# Altium PCB MiniPC.PcbDoc (part 1 of 22) (continued)
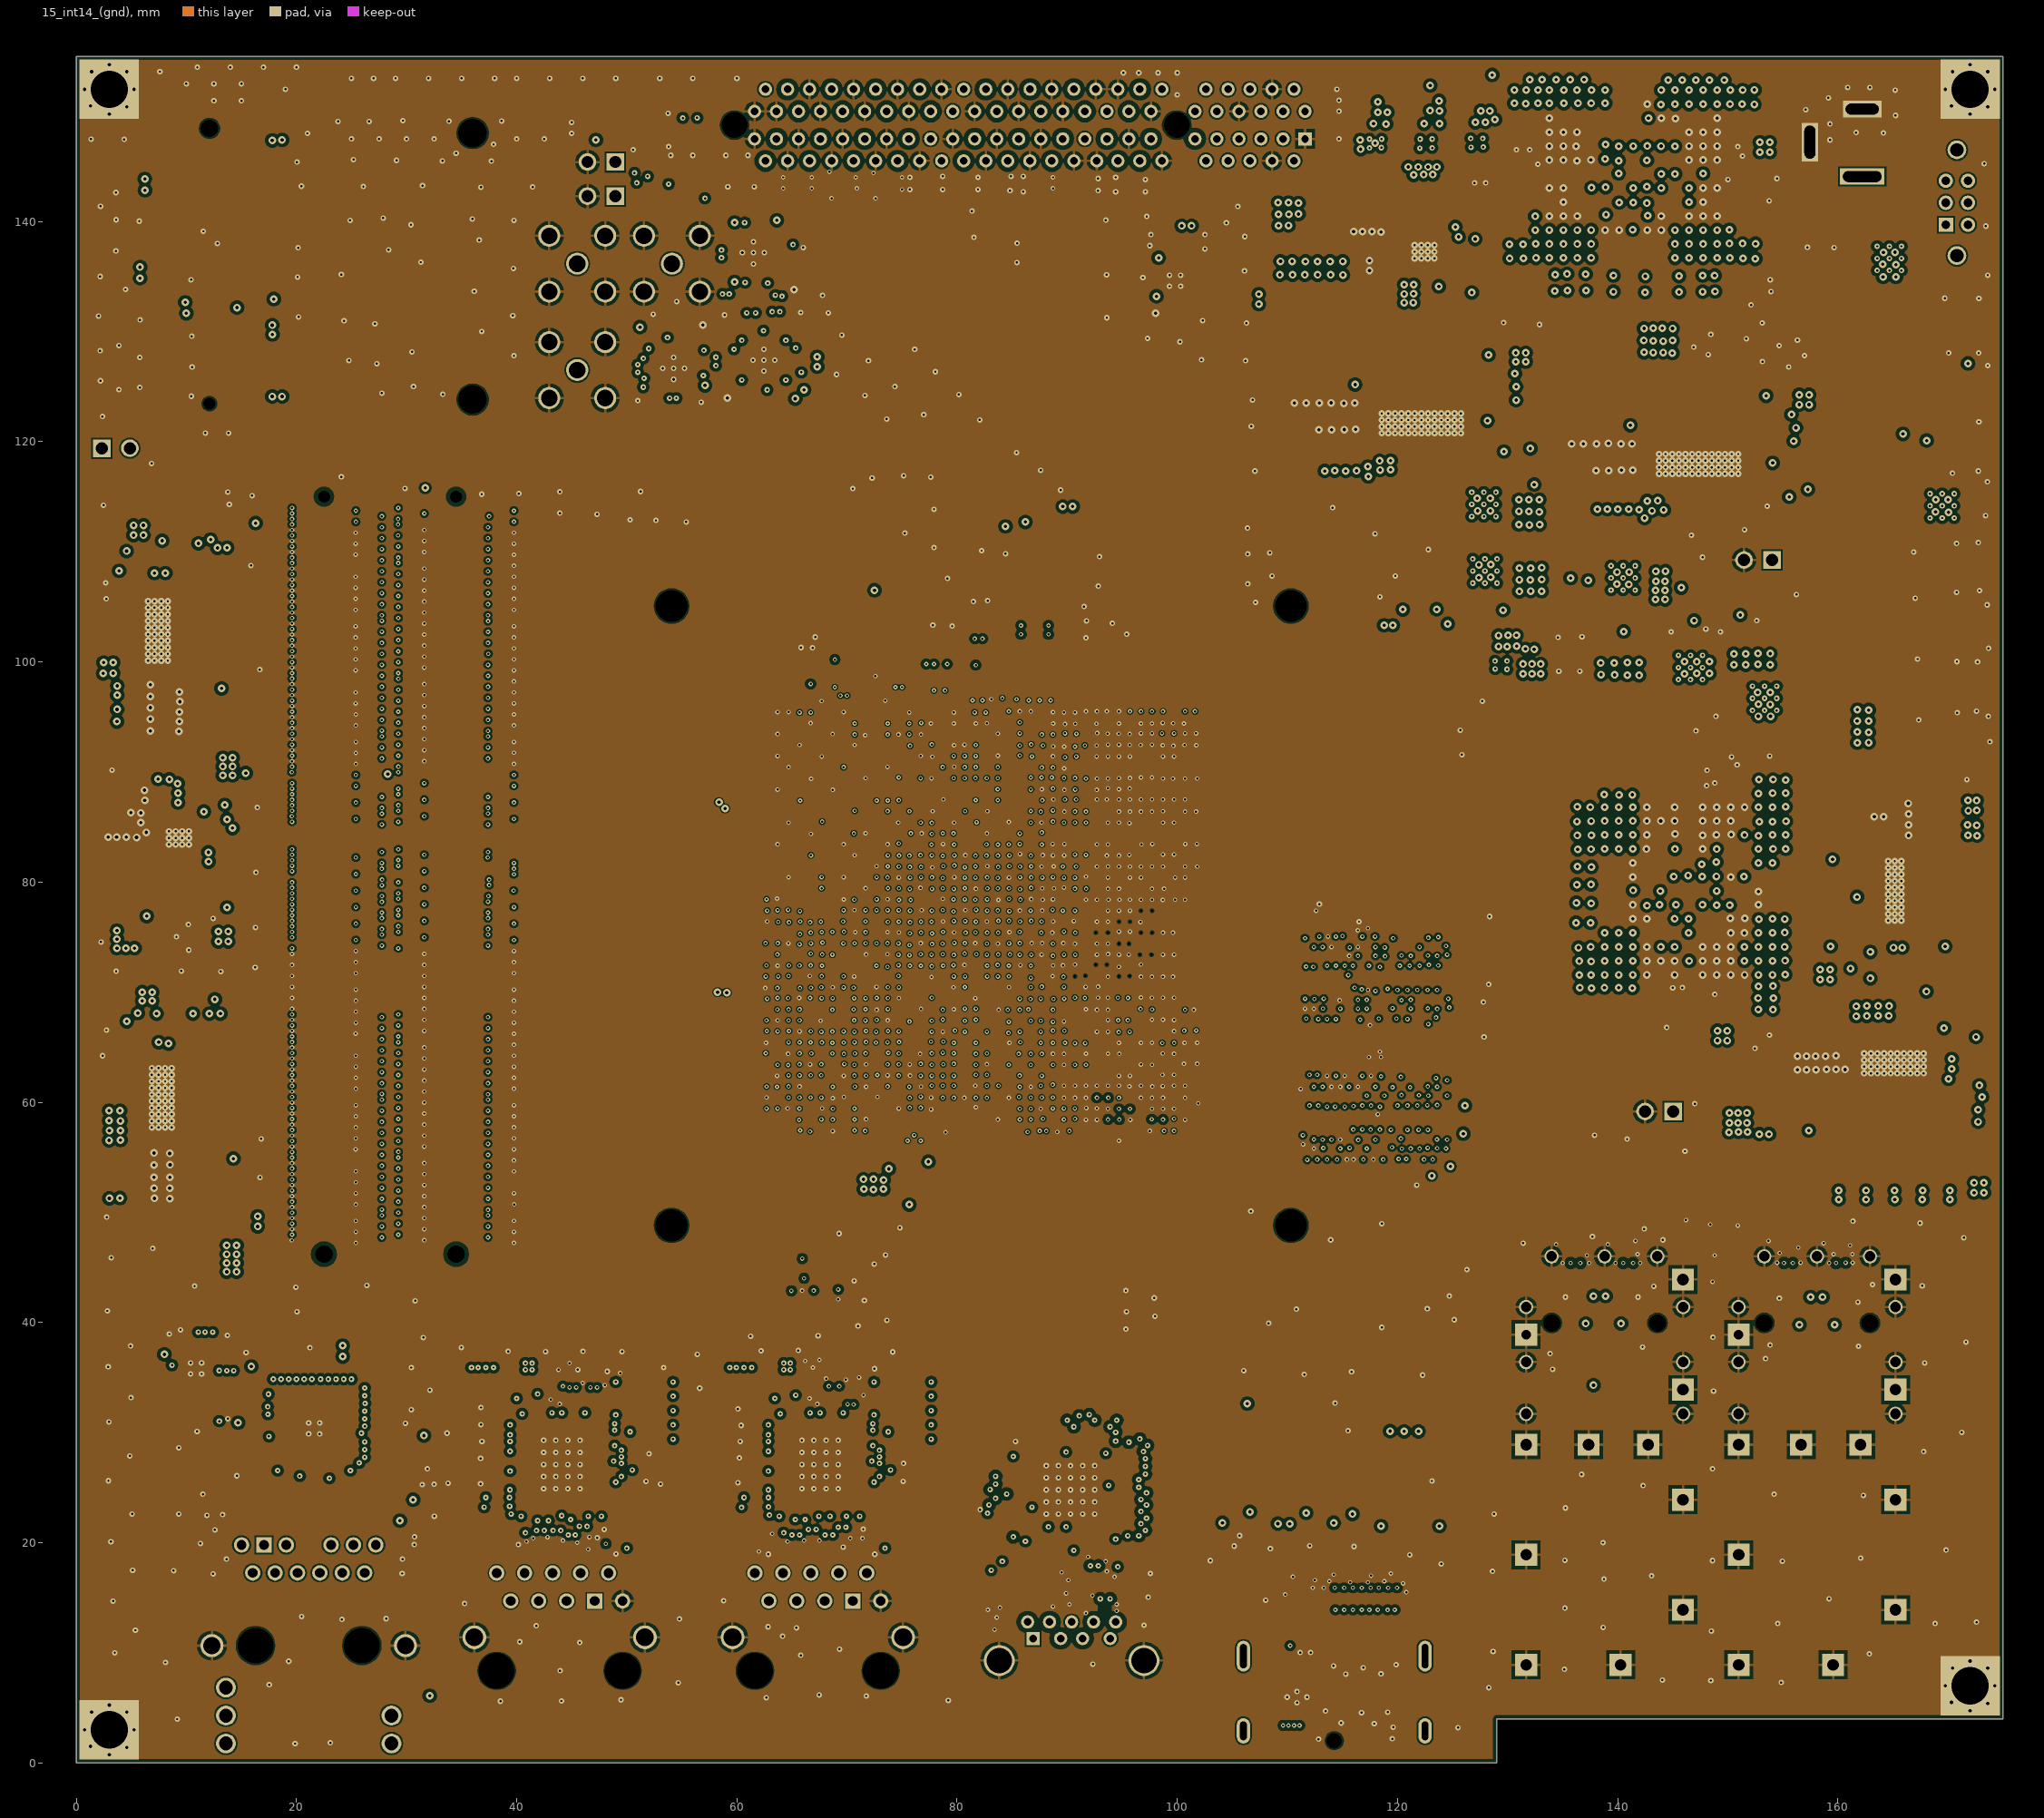
[diagram p15: 15_int14_(gnd)]

## Layer stack, top to bottom
Top Solder: solder mask 0.01, Solder Resist, Dk 3.5
1_Top: signal copper 0.045
Dielectric 1: core 0.1, TU-883, Dk 3.6
2_int1_(gnd): signal copper 0.017
Dielectric 2: prepreg 0.1, TU-883, Dk 3.6
3_int2_(power): signal copper 0.017
Dielectric 3: core 0.1, TU-883, Dk 3.6
4_int3_(gnd): signal copper 0.017
Dielectric 4: prepreg 0.12, TU-883, Dk 3.6
5_int4_(sign): signal copper 0.017
Dielectric 5: core 0.12, TU-883, Dk 3.6
6_int5_(power): signal copper 0.017
Dielectric 6: prepreg 0.12, TU-883, Dk 3.6
7_int6_(sign): signal copper 0.017
Dielectric 7: core 0.12, TU-883, Dk 3.6
8_int7_(power): signal copper 0.017
Dielectric 8: prepreg 0.12, TU-883, Dk 3.6
9_int8_(gnd): signal copper 0.017
Dielectric 9: core 0.12, TU-883, Dk 3.6
10_int9_(sign): signal copper 0.017
Dielectric 10: prepreg 0.12, TU-883, Dk 3.6
11_int10_(gnd): signal copper 0.017
Dielectric 11: core 0.12, TU-883, Dk 3.6
12_int11_(sign): signal copper 0.017
Dielectric 12: prepreg 0.12, TU-883, Dk 3.6
13_int12_(gnd): signal copper 0.017
Dielectric 13: core 0.1, TU-883, Dk 3.6
14_int13_(power): signal copper 0.017
Dielectric 14: prepreg 0.1, TU-883, Dk 3.6
15_int14_(gnd): signal copper 0.017
Dielectric 15: core 0.1, TU-883, Dk 3.6
16_Bottom: signal copper 0.045
Bottom Solder: solder mask 0.01, Solder Resist, Dk 3.5

## Board outline
0,0 129,0 129,4 175,4 175,155 0,155

## Design rules (kind name [scope] priority, off if disabled: settings)
BackDrilling BackDrilling_SFP [InNetClass('SFP')] p1: maxstublength=0.3 usetopbackdrill=TRUE usebottombackdrill=TRUE holeoversize=0.3 holetolplus=0 holetolminus=0
Clearance Clearance_DIFF_PAIR [InAnyDifferentialPair vs InAnyDifferentialPair] p1: gap=0.09 ignorepadtopadclearanceinfootprint=TRUE
Clearance Clearance_CLK_DIFF_PCIE_MIN [(OnLayer('1_Top') and InNetClass('CLK_DIFF_PCIE'))] p2: gap=0.15 ignorepadtopadclearanceinfootprint=TRUE except(0: Arc-Hole Track-Hole SMDPad-Hole THPad-Hole Via-Hole Fill-Hole Poly-Hole Region-Hole Text-Hole; 0.36: Track-Poly Via-Poly)
Clearance Clearance_SFP [InDifferentialPairClass('SFPA_RX')or InDifferentialPairClass('SFPA_TX')or InDifferentialPairClass('SFPB_RX')or InDifferentialPairClass('SFPB_TX')] p3: gap=0.15 ignorepadtopadclearanceinfootprint=TRUE except(0: Arc-Hole Track-Hole SMDPad-Hole THPad-Hole Via-Hole Fill-Hole Poly-Hole Region-Hole Text-Hole; 0.4: Via-Poly; 0.5: Arc-Poly Track-Track Track-Poly)
Clearance Clearance_FPGA [WithinRoom('Room_U1')] p4: gap=0.1 ignorepadtopadclearanceinfootprint=TRUE except(0: Arc-Hole Track-Hole SMDPad-Hole THPad-Hole Via-Hole Fill-Hole Poly-Hole Region-Hole Text-Hole; 0.09: Track-SMDPad)
Clearance Clearance_ENET_HPS_MIN [(OnLayer('1_Top') and InNetClass('ENET_HPS')) vs (OnLayer('1_Top') and InNetClass('ENET_HPS'))] p5: gap=0.15 ignorepadtopadclearanceinfootprint=TRUE except(0: Arc-Hole Track-Hole SMDPad-Hole THPad-Hole Via-Hole Fill-Hole Poly-Hole Region-Hole Text-Hole; 0.25: Via-Poly)
Clearance Clearance_ENET_HPS [InNetClass('ENET_HPS') vs InNetClass('ENET_HPS')] p6: gap=0.15 ignorepadtopadclearanceinfootprint=TRUE except(0: Arc-Hole Track-Hole SMDPad-Hole THPad-Hole Via-Hole Fill-Hole Poly-Hole Region-Hole Text-Hole; 0.36: Track-Track Track-Poly Via-Poly)
Clearance Clearance_USB3 [InNetClass('USB3')or InDifferentialPairClass('USB3_85')] p7: gap=0.15 ignorepadtopadclearanceinfootprint=TRUE except(0: Arc-Hole Track-Hole SMDPad-Hole THPad-Hole Via-Hole Fill-Hole Poly-Hole Region-Hole Text-Hole; 0.2: Track-Track; 0.36: Via-Poly; 0.4: THPad-Poly; 0.65: Track-Poly SMDPad-Poly)
Clearance Clearance_PCIE_MINI_PCIE [InDifferentialPairClass('PCIE_85')or InNetClass('PCIE_Upr')] p8: gap=0.15 ignorepadtopadclearanceinfootprint=TRUE except(0: Arc-Hole Track-Hole SMDPad-Hole THPad-Hole Via-Hole Fill-Hole Poly-Hole Region-Hole Text-Hole; 0.09: Track-SMDPad; 0.3: Via-Poly; 0.4: THPad-Poly; 0.51: Arc-Arc Arc-Track Track-Track; 0.65: Track-Poly)
Clearance Clearance_DDR4_SODIMM [WithinRoom('Sheet_15_DDR4_DIMM')or WithinRoom('Sheet_15_1_DDR4_SODIMM_2')] p9: gap=0.1 ignorepadtopadclearanceinfootprint=TRUE except(0: Arc-Hole Track-Hole SMDPad-Hole THPad-Hole Via-Hole Fill-Hole Poly-Hole Region-Hole Text-Hole; 0.09: Track-SMDPad; 0.2: Via-Poly; 0.36: Arc-Poly Track-Poly SMDPad-Poly THPad-Poly)
Clearance Clearance_DDR4_SODIMM_CK [InDifferentialPairClass('DDR4_SODIMM_CK0')or InDifferentialPairClass('DDR4_SODIMM_CK1')or InDifferentialPairClass('DDR4_SODIMM_CK2')or InDifferentialPairClass('DDR4_SODIMM_CK3')] p10: gap=0.15 ignorepadtopadclearanceinfootprint=TRUE except(0: Arc-Hole Track-Hole SMDPad-Hole THPad-Hole Via-Hole Fill-Hole Poly-Hole Region-Hole Text-Hole; 0.36: Via-Poly; 0.75: Track-Track Track-Poly Track-Region)
Clearance Clearance_IC_DDR4 [WithinRoom('Room_SDRAM_1')or WithinRoom('Room_SDRAM_2')] p11: gap=0.15 ignorepadtopadclearanceinfootprint=TRUE except(0: Arc-Hole Track-Hole SMDPad-Hole THPad-Hole Via-Hole Fill-Hole Poly-Hole Region-Hole Text-Hole; 0.2: Via-Poly; 0.22: Track-Track; 0.36: Track-Poly)
Clearance Clearance_DDR4_SODIMM_BYTELINE0 [InNetClass('DDR4_SODIMM_BYTELINE0') vs InNetClass('DDR4_SODIMM_BYTELINE0')] p12: gap=0.15 ignorepadtopadclearanceinfootprint=TRUE except(0: Arc-Hole Track-Hole SMDPad-Hole THPad-Hole Via-Hole Fill-Hole Poly-Hole Region-Hole Text-Hole; 0.36: Track-Track Track-Poly Via-Poly)
Clearance Clearance_DDR4_SODIMM_BYTELINE1 [InNetClass('DDR4_SODIMM_BYTELINE1') vs InNetClass('DDR4_SODIMM_BYTELINE1')] p13: gap=0.15 ignorepadtopadclearanceinfootprint=TRUE except(0: Arc-Hole Track-Hole SMDPad-Hole THPad-Hole Via-Hole Fill-Hole Poly-Hole Region-Hole Text-Hole; 0.36: Track-Track Track-Poly Via-Poly)
Clearance Clearance_DDR4_SODIMM_BYTELINE2 [InNetClass('DDR4_SODIMM_BYTELINE2') vs InNetClass('DDR4_SODIMM_BYTELINE2')] p14: gap=0.15 ignorepadtopadclearanceinfootprint=TRUE except(0: Arc-Hole Track-Hole SMDPad-Hole THPad-Hole Via-Hole Fill-Hole Poly-Hole Region-Hole Text-Hole; 0.36: Track-Track Track-Poly Via-Poly)
Clearance Clearance_DDR4_SODIMM_BYTELINE3 [InNetClass('DDR4_SODIMM_BYTELINE3') vs InNetClass('DDR4_SODIMM_BYTELINE3')] p15: gap=0.15 ignorepadtopadclearanceinfootprint=TRUE except(0: Arc-Hole Track-Hole SMDPad-Hole THPad-Hole Via-Hole Fill-Hole Poly-Hole Region-Hole Text-Hole; 0.36: Track-Track Track-Poly Via-Poly)
Clearance Clearance_DDR4_SODIMM_BYTELINE4 [InNetClass('DDR4_SODIMM_BYTELINE4') vs InNetClass('DDR4_SODIMM_BYTELINE4')] p16: gap=0.15 ignorepadtopadclearanceinfootprint=TRUE except(0: Arc-Hole Track-Hole SMDPad-Hole THPad-Hole Via-Hole Fill-Hole Poly-Hole Region-Hole Text-Hole; 0.36: Track-Track Track-Poly Via-Poly)
Clearance Clearance_DDR4_SODIMM_BYTELINE5 [InNetClass('DDR4_SODIMM_BYTELINE5') vs InNetClass('DDR4_SODIMM_BYTELINE5')] p17: gap=0.15 ignorepadtopadclearanceinfootprint=TRUE except(0: Arc-Hole Track-Hole SMDPad-Hole THPad-Hole Via-Hole Fill-Hole Poly-Hole Region-Hole Text-Hole; 0.36: Track-Track Track-Poly Via-Poly)
Clearance Clearance_DDR4_SODIMM_BYTELINE6 [InNetClass('DDR4_SODIMM_BYTELINE6') vs InNetClass('DDR4_SODIMM_BYTELINE6')] p18: gap=0.15 ignorepadtopadclearanceinfootprint=TRUE except(0: Arc-Hole Track-Hole SMDPad-Hole THPad-Hole Via-Hole Fill-Hole Poly-Hole Region-Hole Text-Hole; 0.36: Track-Track Track-Poly Via-Poly)
Clearance Clearance_DDR4_SODIMM_BYTELINE7 [InNetClass('DDR4_SODIMM_BYTELINE7') vs InNetClass('DDR4_SODIMM_BYTELINE7')] p19: gap=0.15 ignorepadtopadclearanceinfootprint=TRUE except(0: Arc-Hole Track-Hole SMDPad-Hole THPad-Hole Via-Hole Fill-Hole Poly-Hole Region-Hole Text-Hole; 0.36: Track-Track Track-Poly Via-Poly)
Clearance Clearance_DDR4_SODIMM_ADDR/C/C [InNetClass('DDR4_SODIMM_ADDR/C/C') vs InNetClass('DDR4_SODIMM_ADDR/C/C')] p20: gap=0.15 ignorepadtopadclearanceinfootprint=TRUE except(0: Arc-Hole Track-Hole SMDPad-Hole THPad-Hole Via-Hole Fill-Hole Poly-Hole Region-Hole Text-Hole; 0.36: Track-Track Track-Poly Via-Poly)
Clearance Clearance_DDR4_BYTELINE3 [InNetClass('DDR4_BYTELINE3') vs InNetClass('DDR4_BYTELINE3')] p21: gap=0.15 ignorepadtopadclearanceinfootprint=TRUE except(0: Arc-Hole Track-Hole SMDPad-Hole THPad-Hole Via-Hole Fill-Hole Poly-Hole Region-Hole Text-Hole; 0.36: Track-Track Via-Poly; 0.75: Track-Poly)
Clearance Clearance_DDR4_BYTELINE2 [InNetClass('DDR4_BYTELINE2') vs InNetClass('DDR4_BYTELINE2')] p22: gap=0.15 ignorepadtopadclearanceinfootprint=TRUE except(0: Arc-Hole Track-Hole SMDPad-Hole THPad-Hole Via-Hole Fill-Hole Poly-Hole Region-Hole Text-Hole; 0.36: Track-Track Via-Poly; 0.75: Track-Poly)
Clearance Clearance_DDR4_BYTELINE1 [InNetClass('DDR4_BYTELINE1') vs InNetClass('DDR4_BYTELINE1')] p23: gap=0.15 ignorepadtopadclearanceinfootprint=TRUE except(0: Arc-Hole Track-Hole SMDPad-Hole THPad-Hole Via-Hole Fill-Hole Poly-Hole Region-Hole Text-Hole; 0.36: Track-Track Via-Poly; 0.75: Track-Poly)
Clearance Clearance_DDR4_BYTELINE0 [InNetClass('DDR4_BYTELINE0') vs InNetClass('DDR4_BYTELINE0')] p24: gap=0.15 ignorepadtopadclearanceinfootprint=TRUE except(0: Arc-Hole Track-Hole SMDPad-Hole THPad-Hole Via-Hole Fill-Hole Poly-Hole Region-Hole Text-Hole; 0.36: Track-Track Via-Poly; 0.75: Track-Poly)
Clearance Clearance_DDR4_ADDR/C/C [InNetClass('DDR4_ADDR/C/C') vs InNetClass('DDR4_ADDR/C/C')] p25: gap=0.15 ignorepadtopadclearanceinfootprint=TRUE except(0: Arc-Hole Track-Hole SMDPad-Hole THPad-Hole Via-Hole Fill-Hole Poly-Hole Region-Hole Text-Hole; 0.36: Track-Track Track-Poly Via-Poly)
Clearance Clearance_DDR4_ALL [InNetClass('DDR4_SODIMM_BYTELINE0')or InNetClass('DDR4_SODIMM_BYTELINE1') or InNetClass('DDR4_SODIMM_BYTELINE2') or InNetClass('DDR4_SODIMM_BYTELINE3') or InNetClass('DDR4_SODIMM_BYTELINE4') or InNetClass('DDR4_SODIMM_BYTELINE5') or InNetClass('DDR4_SODIMM_BYTELINE6') or InNetClass('DDR4_SODIMM_BYTELINE7') or InNetClass('DDR4_SODIMM_ADDR/C/C')or InNetClass('DDR4_BYTELINE0')or InNetClass('DDR4_BYTELINE1')or InNetClass('DDR4_BYTELINE2')or InNetClass('DDR4_BYTELINE3')or InNetClass('DDR4_ADDR/C/C')] p26: gap=0.15 ignorepadtopadclearanceinfootprint=TRUE except(0: Arc-Hole Track-Hole SMDPad-Hole THPad-Hole Via-Hole Fill-Hole Poly-Hole Region-Hole Text-Hole; 0.36: Via-Poly; 0.75: Track-Track Track-Poly)
Clearance Clearance_DDR4 [(InNetClass('DDR4_40') OR InDifferentialPairClass('DDR4_80')) vs (InNetClass('DDR4_40') OR InDifferentialPairClass('DDR4_80'))] p27: gap=0.15 ignorepadtopadclearanceinfootprint=TRUE except(0: Arc-Hole Track-Hole SMDPad-Hole THPad-Hole Via-Hole Fill-Hole Poly-Hole Region-Hole Text-Hole; 0.2: Via-Poly; 0.36: Track-Track Track-Poly)
Clearance Clearance_DDR4_CKL [InDifferentialPairClass('DDR_CKL')] p28: gap=0.15 ignorepadtopadclearanceinfootprint=TRUE except(0: Arc-Hole Track-Hole SMDPad-Hole THPad-Hole Via-Hole Fill-Hole Poly-Hole Region-Hole Text-Hole; 0.36: Via-Poly; 0.75: Track-Track Track-Poly Track-Region)
Clearance Clearance_ETHERNET1_ETHERNET2 [WithinRoom('Sheet_6_Ethernet2')or WithinRoom('Sheet_5_Ethernet1')] p29: gap=0.1 ignorepadtopadclearanceinfootprint=TRUE except(0: Arc-Hole Track-Hole SMDPad-Hole THPad-Hole Via-Hole Fill-Hole Poly-Hole Region-Hole Text-Hole; 0.2: SMDPad-Poly; 0.3: Track-Poly Via-Poly Poly-Poly)
Clearance Clearance_12V_POWER [WithinRoom('Sheet_22_12V_POWER')] p30: gap=0.15 ignorepadtopadclearanceinfootprint=TRUE except(0: Arc-Hole Track-Hole SMDPad-Hole THPad-Hole Via-Hole Fill-Hole Poly-Hole Region-Hole Text-Hole; 0.3: Via-Poly; 0.5: Track-Track Track-Poly)
Clearance Clearance_ALL [All] p31: gap=0.15 ignorepadtopadclearanceinfootprint=TRUE except(0: Arc-Hole Track-Hole SMDPad-Hole THPad-Hole Via-Hole Fill-Hole Poly-Hole Region-Hole Text-Hole; 0.1: Track-Fill; 0.3: Track-Poly SMDPad-Poly Via-Poly Poly-Poly Poly-Region)
ComponentClearance ComponentClearance_Fan [All] p1: gap=0 collisioncheckmode=3 verticalgap=0 showdistances=FALSE
ComponentClearance [All] p2: gap=0.254 collisioncheckmode=3 verticalgap=0.254 showdistances=FALSE
ComponentClearance ComponentClearance_0 [InComponentClass('Sheet_15_1_DDR4_SODIMM_2') vs InComponentClass('Sheet_15_DDR4_DIMM')] p3: gap=0 collisioncheckmode=3 verticalgap=0 showdistances=FALSE
ComponentClearance ComponentClearance_0,1 [InComponentClass('Sheet_40_Arria10_Power') vs InComponentClass('Sheet_40_Arria10_Power')] p4: gap=0.1 collisioncheckmode=3 verticalgap=0.1 showdistances=FALSE
DiffPairsRouting DiffPairsRouting_PCIE_85 [InDifferentialPairClass('PCIE_85')] p1: maxlimit=0.381 minlimit=0.1 mostfreqgap=0.127 toplayer_mingap=0.12 toplayer_maxgap=0.12 toplayer_prefgap=0.12 toplayer_minwidth=0.1 toplayer_maxwidth=0.15 toplayer_prefwidth=0.15 midlayer1_maxgap=0.1 midlayer1_prefgap=0.1 midlayer1_minwidth=0.11 midlayer1_maxwidth=0.11 midlayer1_prefwidth=0.11 midlayer2_maxgap=0.1 midlayer2_prefgap=0.1 midlayer2_minwidth=0.11 midlayer2_maxwidth=0.11 midlayer2_prefwidth=0.11 midlayer3_maxgap=0.1 midlayer3_prefgap=0.1 midlayer3_minwidth=0.11 midlayer3_maxwidth=0.11 midlayer3_prefwidth=0.11 midlayer4_maxgap=0.1 midlayer4_prefgap=0.1 midlayer4_minwidth=0.11 midlayer4_maxwidth=0.11 midlayer4_prefwidth=0.11 midlayer5_mingap=0.102 midlayer5_minwidth=0.102 midlayer5_maxwidth=0.305 midlayer5_prefwidth=0.114 midlayer6_mingap=0.102 midlayer6_minwidth=0.102 midlayer6_maxwidth=0.305 midlayer6_prefwidth=0.114 midlayer7_mingap=0.102 midlayer7_minwidth=0.102 midlayer7_maxwidth=0.305 midlayer7_prefwidth=0.114 midlayer8_mingap=0.102 midlayer8_minwidth=0.102 midlayer8_maxwidth=0.305 midlayer8_prefwidth=0.114 midlayer9_mingap=0.102 midlayer9_minwidth=0.102 midlayer9_maxwidth=0.305 midlayer9_prefwidth=0.114 midlayer10_mingap=0.102 midlayer10_minwidth=0.102 midlayer10_maxwidth=0.305 midlayer10_prefwidth=0.114 midlayer11_mingap=0.102 midlayer11_minwidth=0.102 midlayer11_maxwidth=0.305 midlayer11_prefwidth=0.114 midlayer12_mingap=0.102 midlayer12_minwidth=0.102 midlayer12_maxwidth=0.305 midlayer12_prefwidth=0.114 midlayer13_mingap=0.102 midlayer13_minwidth=0.102 midlayer13_maxwidth=0.305 midlayer13_prefwidth=0.114 midlayer14_mingap=0.102 midlayer14_minwidth=0.102 midlayer14_maxwidth=0.305 midlayer14_prefwidth=0.114 bottomlayer_mingap=0.12 bottomlayer_maxgap=0.12 bottomlayer_prefgap=0.12 bottomlayer_minwidth=0.1 bottomlayer_maxwidth=0.15 bottomlayer_prefwidth=0.15 maxuncoupledlength=12.7
DiffPairsRouting DiffPairsRouting_USB3_85 [InDifferentialPairClass('USB3_85')] p2: maxlimit=0.381 minlimit=0.1 mostfreqgap=0.127 toplayer_mingap=0.12 toplayer_maxgap=0.12 toplayer_prefgap=0.12 toplayer_minwidth=0.1 toplayer_maxwidth=0.15 toplayer_prefwidth=0.15 midlayer1_maxgap=0.1 midlayer1_prefgap=0.1 midlayer1_minwidth=0.11 midlayer1_maxwidth=0.11 midlayer1_prefwidth=0.11 midlayer2_maxgap=0.1 midlayer2_prefgap=0.1 midlayer2_minwidth=0.11 midlayer2_maxwidth=0.11 midlayer2_prefwidth=0.11 midlayer3_maxgap=0.1 midlayer3_prefgap=0.1 midlayer3_minwidth=0.11 midlayer3_maxwidth=0.11 midlayer3_prefwidth=0.11 midlayer4_maxgap=0.1 midlayer4_prefgap=0.1 midlayer4_minwidth=0.11 midlayer4_maxwidth=0.11 midlayer4_prefwidth=0.11 midlayer5_mingap=0.102 midlayer5_minwidth=0.102 midlayer5_maxwidth=0.305 midlayer5_prefwidth=0.114 midlayer6_mingap=0.102 midlayer6_minwidth=0.102 midlayer6_maxwidth=0.305 midlayer6_prefwidth=0.114 midlayer7_mingap=0.102 midlayer7_minwidth=0.102 midlayer7_maxwidth=0.305 midlayer7_prefwidth=0.114 midlayer8_mingap=0.102 midlayer8_minwidth=0.102 midlayer8_maxwidth=0.305 midlayer8_prefwidth=0.114 midlayer9_mingap=0.102 midlayer9_minwidth=0.102 midlayer9_maxwidth=0.305 midlayer9_prefwidth=0.114 midlayer10_mingap=0.102 midlayer10_minwidth=0.102 midlayer10_maxwidth=0.305 midlayer10_prefwidth=0.114 midlayer11_mingap=0.102 midlayer11_minwidth=0.102 midlayer11_maxwidth=0.305 midlayer11_prefwidth=0.114 midlayer12_mingap=0.102 midlayer12_minwidth=0.102 midlayer12_maxwidth=0.305 midlayer12_prefwidth=0.114 midlayer13_mingap=0.102 midlayer13_minwidth=0.102 midlayer13_maxwidth=0.305 midlayer13_prefwidth=0.114 midlayer14_mingap=0.102 midlayer14_minwidth=0.102 midlayer14_maxwidth=0.305 midlayer14_prefwidth=0.114 bottomlayer_mingap=0.12 bottomlayer_maxgap=0.12 bottomlayer_prefgap=0.12 bottomlayer_minwidth=0.1 bottomlayer_maxwidth=0.15 bottomlayer_prefwidth=0.15 maxuncoupledlength=12.7
DiffPairsRouting DiffPairsRouting_DDR4_80 [InDifferentialPairClass('DDR4_80')] p3: maxlimit=0.254 minlimit=0.1 mostfreqgap=0.254 toplayer_maxgap=0.1 toplayer_prefgap=0.1 toplayer_minwidth=0.15 toplayer_maxwidth=0.15 toplayer_prefwidth=0.15 midlayer1_mingap=0.11 midlayer1_maxgap=0.11 midlayer1_prefgap=0.11 midlayer1_minwidth=0.13 midlayer1_maxwidth=0.13 midlayer1_prefwidth=0.13 midlayer2_mingap=0.11 midlayer2_maxgap=0.11 midlayer2_prefgap=0.11 midlayer2_minwidth=0.13 midlayer2_maxwidth=0.13 midlayer2_prefwidth=0.13 midlayer3_mingap=0.11 midlayer3_maxgap=0.11 midlayer3_prefgap=0.11 midlayer3_minwidth=0.13 midlayer3_maxwidth=0.13 midlayer3_prefwidth=0.13 midlayer4_mingap=0.11 midlayer4_maxgap=0.11 midlayer4_prefgap=0.11 midlayer4_minwidth=0.13 midlayer4_maxwidth=0.13 midlayer4_prefwidth=0.13 midlayer5_mingap=0.254 midlayer5_minwidth=0.381 midlayer5_maxwidth=0.381 midlayer5_prefwidth=0.381 midlayer6_mingap=0.254 midlayer6_minwidth=0.381 midlayer6_maxwidth=0.381 midlayer6_prefwidth=0.381 midlayer7_mingap=0.254 midlayer7_minwidth=0.381 midlayer7_maxwidth=0.381 midlayer7_prefwidth=0.381 midlayer8_mingap=0.254 midlayer8_minwidth=0.381 midlayer8_maxwidth=0.381 midlayer8_prefwidth=0.381 midlayer9_mingap=0.254 midlayer9_minwidth=0.381 midlayer9_maxwidth=0.381 midlayer9_prefwidth=0.381 midlayer10_mingap=0.254 midlayer10_minwidth=0.381 midlayer10_maxwidth=0.381 midlayer10_prefwidth=0.381 midlayer11_mingap=0.254 midlayer11_minwidth=0.381 midlayer11_maxwidth=0.381 midlayer11_prefwidth=0.381 midlayer12_mingap=0.254 midlayer12_minwidth=0.381 midlayer12_maxwidth=0.381 midlayer12_prefwidth=0.381 midlayer13_mingap=0.254 midlayer13_minwidth=0.381 midlayer13_maxwidth=0.381 midlayer13_prefwidth=0.381 midlayer14_mingap=0.254 midlayer14_minwidth=0.381 midlayer14_maxwidth=0.381 midlayer14_prefwidth=0.381 bottomlayer_maxgap=0.1 bottomlayer_prefgap=0.1 bottomlayer_minwidth=0.15 bottomlayer_maxwidth=0.15 bottomlayer_prefwidth=0.15 maxuncoupledlength=19
DiffPairsRouting DiffPairsRouting_100 [InDifferentialPairClass('All Differential Pairs')] p4: maxlimit=0.254 minlimit=0.12 mostfreqgap=0.254 toplayer_maxgap=0.12 toplayer_prefgap=0.12 toplayer_minwidth=0.1 toplayer_maxwidth=0.1 toplayer_prefwidth=0.1 midlayer1_mingap=0.15 midlayer1_maxgap=0.15 midlayer1_prefgap=0.15 midlayer1_minwidth=0.09 midlayer1_maxwidth=0.09 midlayer1_prefwidth=0.09 midlayer2_mingap=0.15 midlayer2_maxgap=0.15 midlayer2_prefgap=0.15 midlayer2_minwidth=0.09 midlayer2_maxwidth=0.09 midlayer2_prefwidth=0.09 midlayer3_mingap=0.15 midlayer3_maxgap=0.15 midlayer3_prefgap=0.15 midlayer3_minwidth=0.09 midlayer3_maxwidth=0.09 midlayer3_prefwidth=0.09 midlayer4_mingap=0.15 midlayer4_maxgap=0.15 midlayer4_prefgap=0.15 midlayer4_minwidth=0.09 midlayer4_maxwidth=0.09 midlayer4_prefwidth=0.09 midlayer5_mingap=0.254 midlayer5_minwidth=0.381 midlayer5_maxwidth=0.381 midlayer5_prefwidth=0.381 midlayer6_mingap=0.254 midlayer6_minwidth=0.381 midlayer6_maxwidth=0.381 midlayer6_prefwidth=0.381 midlayer7_mingap=0.254 midlayer7_minwidth=0.381 midlayer7_maxwidth=0.381 midlayer7_prefwidth=0.381 midlayer8_mingap=0.254 midlayer8_minwidth=0.381 midlayer8_maxwidth=0.381 midlayer8_prefwidth=0.381 midlayer9_mingap=0.254 midlayer9_minwidth=0.381 midlayer9_maxwidth=0.381 midlayer9_prefwidth=0.381 midlayer10_mingap=0.254 midlayer10_minwidth=0.381 midlayer10_maxwidth=0.381 midlayer10_prefwidth=0.381 midlayer11_mingap=0.254 midlayer11_minwidth=0.381 midlayer11_maxwidth=0.381 midlayer11_prefwidth=0.381 midlayer12_mingap=0.254 midlayer12_minwidth=0.381 midlayer12_maxwidth=0.381 midlayer12_prefwidth=0.381 midlayer13_mingap=0.254 midlayer13_minwidth=0.381 midlayer13_maxwidth=0.381 midlayer13_prefwidth=0.381 midlayer14_mingap=0.254 midlayer14_minwidth=0.381 midlayer14_maxwidth=0.381 midlayer14_prefwidth=0.381 bottomlayer_maxgap=0.12 bottomlayer_prefgap=0.12 bottomlayer_minwidth=0.1 bottomlayer_maxwidth=0.1 bottomlayer_prefwidth=0.1 maxuncoupledlength=12.7
Height [All] p1: minheight=0 maxheight=40 prefheight=10
HoleSize [All] p1: absolutevalues=TRUE maxlimit=5 minlimit=0.025 maxpercent=80.000 minpercent=20.000
Length Length_DDR4_ALERT0_BG0 [InNet('DDR4_ALERT0')or InNet('DDR4_BG0')] p1: maxlimit=114.2 minlimit=114
Length Length_SODIMM_DDR4_ADD_SIGN [InNet (DDR4_SODIMM_ODT1) or InNet (DDR4_SODIMM_CS1) or InNet (DDR4_SODIMM_CKE1)] p2: maxlimit=106.4 minlimit=106.2
MatchedLengths MatchedLengths_ENET_HPS [InxSignalClass('xSignals_U11_U1')] p1: tolerance=0.5 checknetsindiffpair=FALSE checkdiffpairvsdiffpair=TRUE checkxsignals=TRUE checkothers=TRUE